# KiCad board gk.kicad_pcb (continued)
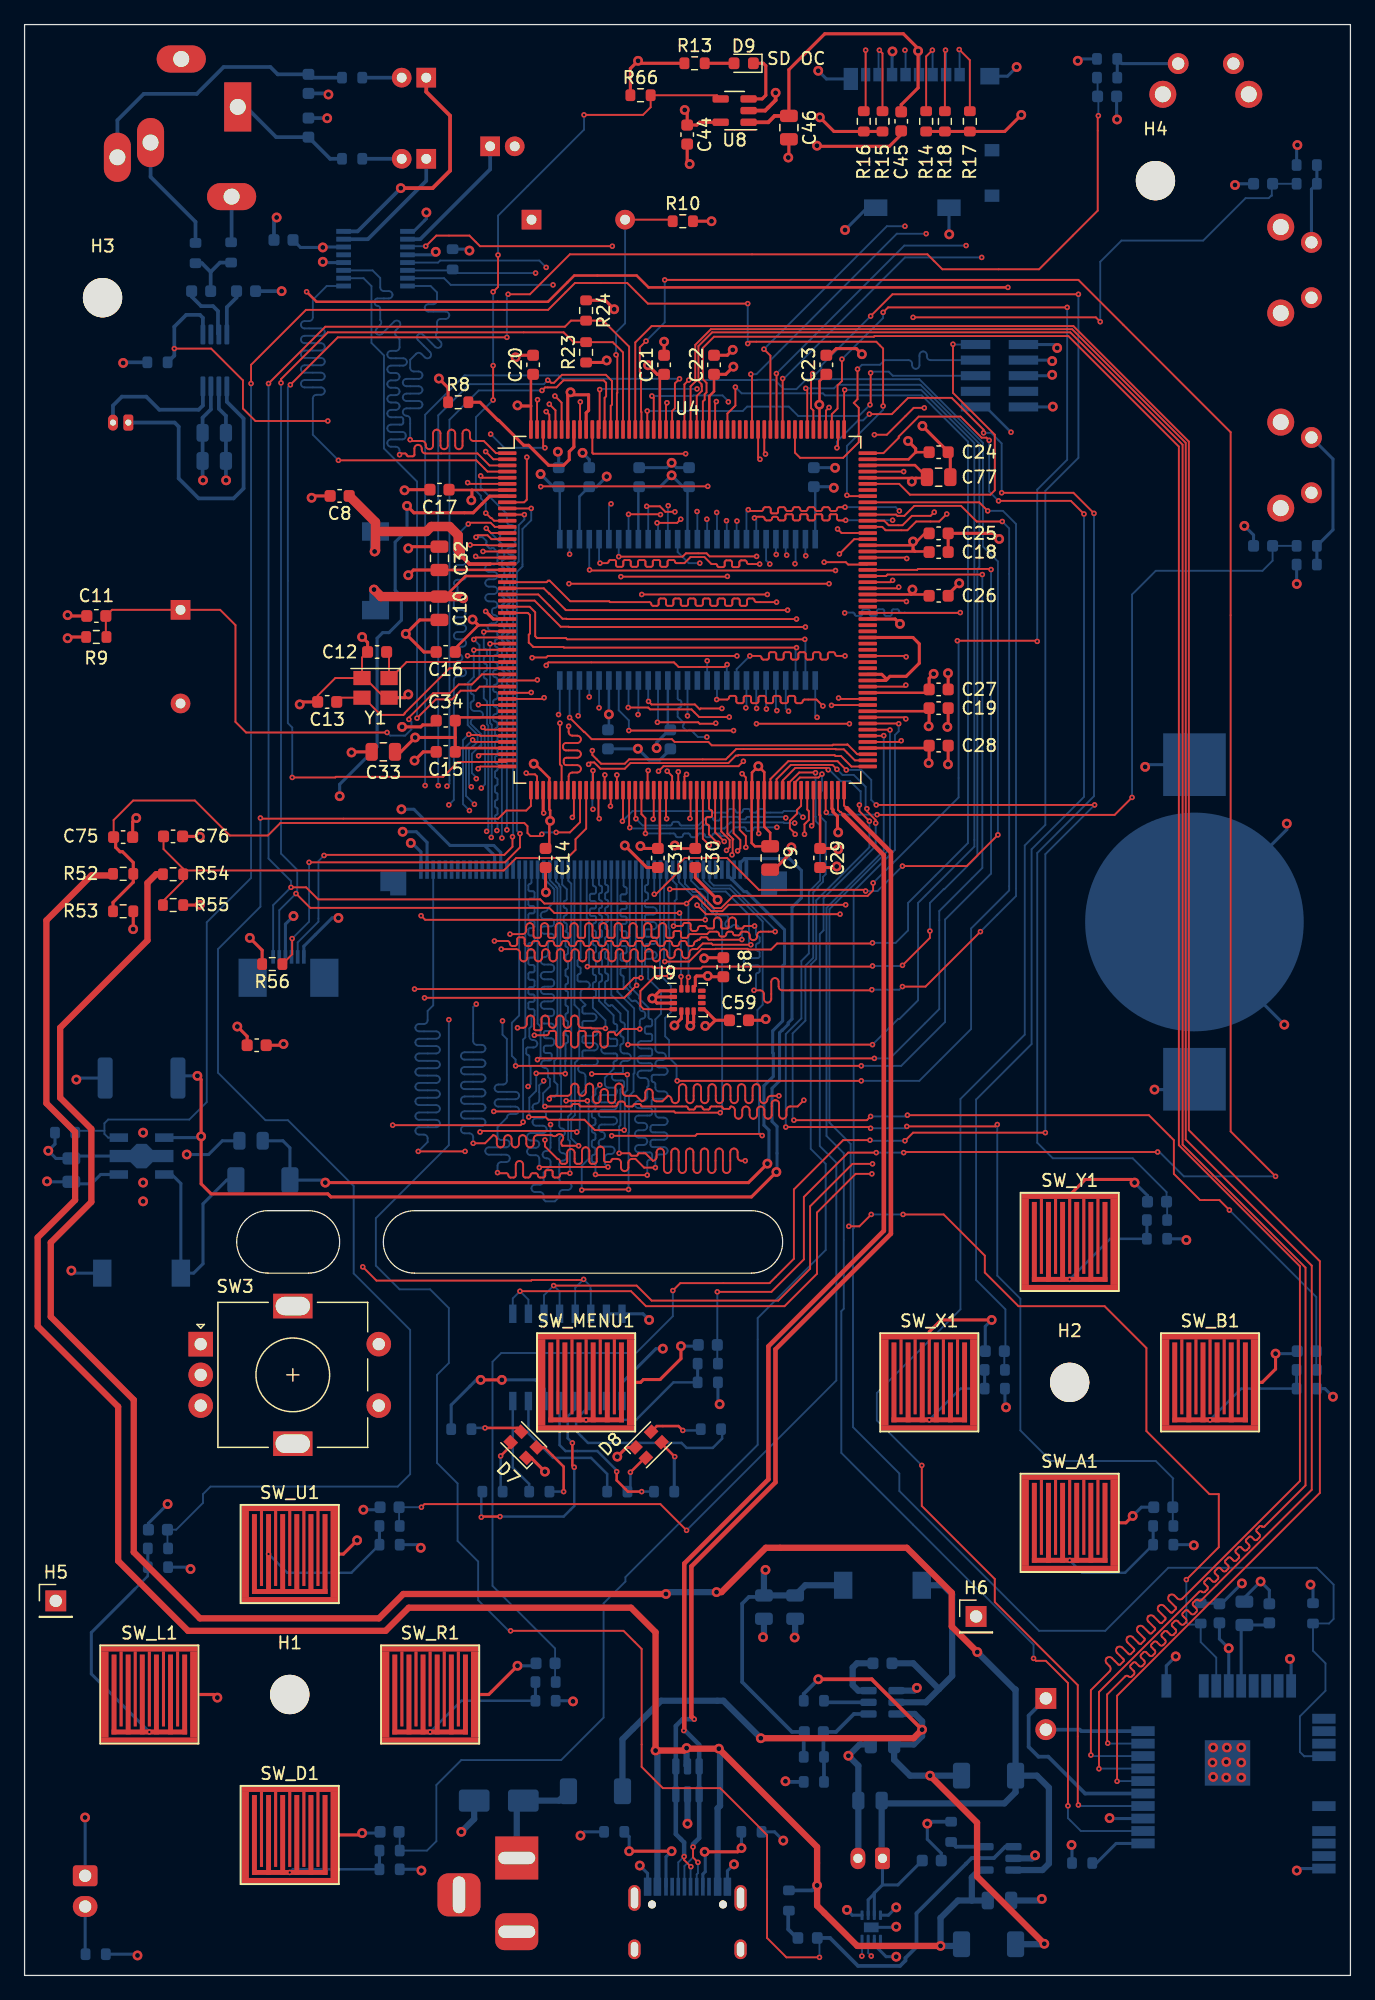
[diagram p0: board, top side]
## Footprints (pads in the part's own frame, mm; a bottom-side part is the same pattern mirrored in y, then rotated) (continued)
microSD_HC_Molex_104031-0811
  rect 0.85x1.1 smd: 1(-3.105,5.45) 2(-2.005,5.45) 3(-0.905,5.45) 4(0.195,5.45) 5(1.295,5.45) 6(2.395,5.45) 7(3.495,5.45)
  rect 0.75x1.1 smd: 8(4.545,5.45)
  rect 1.2x1 smd: 9(-5.74,-0.7) 10(-5.74,-4.4)
  rect 1.55x1.35 smd: 11(-5.565,5.325)
  rect 1.9x1.35 smd: 11(-2.24,-5.375) 11(3.73,-5.375)
  rect 1.17x1.8 smd: 11(5.755,5.1)
Molex_PicoBlade_53048-0210_1x02_P1.25mm_Horizontal
  rrect 0.8x1.3 hole 0.5: 1(0,0)
  oval 0.8x1.3 hole 0.5: 2(1.25,0)
MountingHole_3.2mm_M3
  round 3.2 hole 3.2 unplated: (0,0)
MSOP-8_3x3mm_P0.65mm
  rrect 1.625x0.4 smd: 1(-2.112,0.975) 2(-2.112,0.325) 3(-2.112,-0.325) 4(-2.112,-0.975) 5(2.112,-0.975) 6(2.112,-0.325) 7(2.112,0.325) 8(2.112,0.975)
PinHeader_1x01_P2.54mm_Vertical
  rect 1.7x1.7 hole 1: 1(0,0)
PinHeader_1x02_P2.54mm_Vertical
  rect 1.7x1.7 hole 1: 1(0,0)
  oval 1.7x1.7 hole 1: 2(0,-2.54)
PinHeader_2x05_P1.27mm_Vertical_SMD
  rect 2.4x0.74 smd: 1(-1.95,2.54) 2(1.95,2.54) 3(-1.95,1.27) 4(1.95,1.27) 5(-1.95,0) 6(1.95,0) 7(-1.95,-1.27) 8(1.95,-1.27) 9(-1.95,-2.54) 10(1.95,-2.54)
R_0603_1608Metric
  rrect 0.8x0.95 smd: 1(-0.825,0) 2(0.825,0)
R_2512_6332Metric
  rrect 1.225x3.35 smd: 1(-2.962,0) 2(2.962,0)
RotaryEncoder_Alps_EC11E-Switch_Vertical_H20mm
  rect 2x2 hole 1: A(0,0)
  round 2 hole 1: B(0,-5) C(0,-2.5) S1(14.5,-5) S2(14.5,0)
  rect 3.2x2 hole 2.8x1.5: MP(7.5,3.1) MP(7.5,-8.1)
SOIC-16W_5.3x10.2mm_P1.27mm
  rect 1.5x0.6 smd: 1(-3.55,4.445) 2(-3.55,3.175) 3(-3.55,1.905) 4(-3.55,0.635) 5(-3.55,-0.635) 6(-3.55,-1.905) 7(-3.55,-3.175) 8(-3.55,-4.445) 9(3.55,-4.445) 10(3.55,-3.175) 11(3.55,-1.905) 12(3.55,-0.635) 13(3.55,0.635) 14(3.55,1.905) 15(3.55,3.175) 16(3.55,4.445)
SOT-23-5
  rrect 1.325x0.6 smd: 1(-1.137,0.95) 2(-1.137,0) 3(-1.137,-0.95) 4(1.137,-0.95) 5(1.137,0.95)
SOT-23-6
  rrect 1.325x0.6 smd: 1(-1.137,0.95) 2(-1.137,0) 3(-1.137,-0.95) 4(1.137,-0.95) 5(1.137,0) 6(1.137,0.95)
SOT-89-5
  rect 1.5x0.7 smd: 1(-1.85,1.5) 3(-1.85,-1.5) 4(1.85,-1.5) 5(1.85,1.5)
  custom 5.2x2 smd: 2(0,0)
SSOP-16_3.9x4.9mm_P0.635mm
  rect 1.2x0.4 smd: 1(-2.6,2.223) 2(-2.6,1.587) 3(-2.6,0.953) 4(-2.6,0.318) 5(-2.6,-0.318) 6(-2.6,-0.953) 7(-2.6,-1.587) 8(-2.6,-2.223) 9(2.6,-2.223) 10(2.6,-1.587) 11(2.6,-0.953) 12(2.6,-0.318) 13(2.6,0.318) 14(2.6,0.953) 15(2.6,1.587) 16(2.6,2.223)
SW_DIP_SPSTx01_Slide_6.7x4.1mm_W7.62mm_P2.54mm_LowProfile
  rect 1.6x1.6 hole 0.8: 1(0,0)
  oval 1.6x1.6 hole 0.8: 2(7.62,0)
SW_Tactile_SKHH_Angled
  round 2.2 hole 1.3: (-1.25,-2.5) (5.75,-2.5)
  round 1.7 hole 1: 1(0,0) 2(4.5,0)
TDFN-8-1EP_2x2mm_P0.5mm_EP0.8x1.2mm
  rrect 0.32x0.48 smd: (-0.2,-0.3) (-0.2,0.3) (0.2,-0.3) (0.2,0.3)
  rrect 0.775x0.25 smd: 1(-0.988,0.75) 2(-0.988,0.25) 3(-0.988,-0.25) 4(-0.988,-0.75) 5(0.988,-0.75) 6(0.988,-0.25) 7(0.988,0.25) 8(0.988,0.75)
  rect 0.8x1.2 smd: 9(0,0)
TE_0-1734839-6_1x06-1MP_P0.5mm_Horizontal
  rect 0.3x1.1 smd: 1(-1.25,1.35) 2(-0.75,1.35) 3(-0.25,1.35) 4(0.25,1.35) 5(0.75,1.35) 6(1.25,1.35)
  rect 2.3x3.1 smd: MP(-2.92,-0.35) MP(2.92,-0.35)
TouchButton-8x8mm
  rect 0.675x7 smd: 1(-3.663,0) 1(3.663,0)
  rect 0.25x6.1 smd: 1(-2.3,0.45) 1(-1.15,0.45) 1(0,0.45) 1(1.15,0.45) 1(2.3,0.45)
  rect 8x0.5 smd: 1(0,3.75) 1(0,-3.75)
  rect 0.4x6.5 smd: 2(-2.875,0) 2(-1.725,0) 2(-0.575,0) 2(0.575,0) 2(1.725,0) 2(2.875,0)
  rect 6.15x0.4 smd: 2(0,-3.05)
TSOP-II-54_22.2x10.16mm_P0.8mm
  rect 1.51x0.458 smd: 1(-5.75,10.4) 2(-5.75,9.6) 3(-5.75,8.8) 4(-5.75,8) 5(-5.75,7.2) 6(-5.75,6.4) 7(-5.75,5.6) 8(-5.75,4.8) 9(-5.75,4) 10(-5.75,3.2) 11(-5.75,2.4) 12(-5.75,1.6) 13(-5.75,0.8) 14(-5.75,0) 15(-5.75,-0.8) 16(-5.75,-1.6) 17(-5.75,-2.4) 18(-5.75,-3.2) 19(-5.75,-4) 20(-5.75,-4.8) 21(-5.75,-5.6) 22(-5.75,-6.4) 23(-5.75,-7.2) 24(-5.75,-8) 25(-5.75,-8.8) 26(-5.75,-9.6) 27(-5.75,-10.4) 28(5.75,-10.4) 29(5.75,-9.6) 30(5.75,-8.8) 31(5.75,-8) 32(5.75,-7.2) 33(5.75,-6.4) 34(5.75,-5.6) 35(5.75,-4.8) 36(5.75,-4) 37(5.75,-3.2) 38(5.75,-2.4) 39(5.75,-1.6) 40(5.75,-0.8) 41(5.75,0) 42(5.75,0.8) 43(5.75,1.6) 44(5.75,2.4) 45(5.75,3.2) 46(5.75,4) 47(5.75,4.8) 48(5.75,5.6) 49(5.75,6.4) 50(5.75,7.2) 51(5.75,8) 52(5.75,8.8) 53(5.75,9.6) 54(5.75,10.4)
TSOT-23-6
  rrect 1.325x0.6 smd: 1(-1.137,0.95) 2(-1.137,0) 3(-1.137,-0.95) 4(1.137,-0.95) 5(1.137,0) 6(1.137,0.95)
USB_C_Receptacle_HRO_TYPE-C-31-M-12
  round 0.65 hole 0.65 unplated: (-2.89,2.6) (2.89,2.6)
  rect 0.6x1.45 smd: A1(-3.25,4.045) A4(-2.45,4.045) A9(2.45,4.045) A12(3.25,4.045) B1(3.25,4.045) B4(2.45,4.045) B9(-2.45,4.045) B12(-3.25,4.045)
  rect 0.3x1.45 smd: A5(-1.25,4.045) A6(-0.25,4.045) A7(0.25,4.045) A8(1.25,4.045) B5(1.75,4.045) B6(0.75,4.045) B7(-0.75,4.045) B8(-1.75,4.045)
  oval 1x1.6 hole 0.6x1.2: S1(-4.32,-1.05) S1(4.32,-1.05)
  oval 1x2.1 hole 0.6x1.7: S1(-4.32,3.13) S1(4.32,3.13)
WIFI_Module_ATWINC1500-MR210PB
  rect 1.9x0.8 smd: 1(-7.365,8.19) 2(-7.365,7.174) 3(-7.365,6.158) 4(-7.365,5.142) 5(-7.365,1.078) 6(-7.365,-0.954) 7(-7.365,-1.97) 8(-7.365,-2.986) 9(-7.365,-4.002) 10(7.365,-1.964) 11(7.365,-0.948) 12(7.365,0.068) 13(7.365,1.084) 14(7.365,2.1) 15(7.365,3.116) 16(7.365,4.132) 17(7.365,5.148) 18(7.365,6.164) 19(7.365,7.18)
  rect 0.8x1.9 smd: 20(5.465,10.86) 21(2.417,10.86) 22(1.401,10.86) 23(0.385,10.86) 24(-0.631,10.86) 25(-1.647,10.86) 26(-2.663,10.86) 27(-3.679,10.86) 28(-4.695,10.86)
  rect 3.7x3.7 smd: 29(0.485,4.59)

## Nets
GND: BT1.2 C1.2 C2.2 C3.2 C6.2 C7.2 C8.2 C9.2 C10.2 C11.2 C12.2 C13.2 C14.2 C15.2 C16.2 C17.2 C18.2 C19.2 C20.2 C21.2 C22.2 C23.2 C24.2 C25.2 C26.2 C27.2 C28.2 C29.2 C30.2 C31.2 C32.2 C33.2 C34.2 C35.2 C36.2 C37.2 C38.2 C39.2 C40.2 C41.2 C42.2 C43.2 C44.2 C45.2 C46.2 C47.2 C48.2 C51.2 C52.2 C58.2 C59.2 C60.2 C61.2 C62.2 C63.2 C64.2 C65.2 C66.2 C67.2 C68.2 C69.2 C70.2 C71.2 C72.2 C73.2 C74.2 C75.2 C76.2 C77.2 C78.2 C79.2 C80.2 C81.2 C83.2 D6.1 J1.A1 J1.A12 J1.B1 J1.B12 J1.S1 J2.2 J3.53 J3.54 J4.6 J4.11 J5.S J8.3 J8.5 J8.9 J9.1 J10.2 J10.3 MOD1.9 MOD1.12 MOD1.28 MOD1.29 R1.2 R5.2 R6.2 R7.2 R10.2 R11.2 R12.2 R22.2 R26.2 R27.2 R53.2 R55.2 R56.2 R57.2 SW1.2 SW3.C SW3.S2 SW_A1.1 SW_B1.1 SW_D1.1 SW_L1.1 SW_MENU1.1 SW_ONOFF1.1 SW_R1.1 SW_U1.1 SW_VOLDOWN1.1 SW_VOLUP1.1 SW_X1.1 SW_Y1.1 U1.2 U2.2 U3.1 U4.6 U4.16 U4.18 U4.28 U4.42 U4.50 U4.55 U4.73 U4.79 U4.90 U4.99 U4.109 U4.113 U4.118 U4.123 U4.129 U4.132 U4.139 U4.153 U4.160 U4.178 U4.186 U4.200 U4.207 U5.2 U6.6 U6.12 U6.28 U6.41 U6.46 U6.52 U6.54 U7.4 U7.9 U7.12 U8.2 U9.1 U9.2 U9.3 U9.6 U9.7 U10.1 U10.4 U10.6 U10.9 U11.7 U11.8 U12.7 Y1.2 Y1.4
VBAT_SENSE: C76.1 R54.2 R55.1 U4.62
VBAT_STAT: D3.1 U2.1 U4.2
VCC: C5.1 C6.1 C7.1 C14.1 C15.1 C16.1 C17.1 C18.1 C19.1 C20.1 C21.1 C22.1 C23.1 C24.1 C25.1 C26.1 C27.1 C28.1 C29.1 C30.1 C31.1 C32.1 C33.1 C34.1 C35.1 C37.1 C38.1 C39.1 C40.1 C41.1 C42.1 C43.1 C44.1 C47.1 C58.1 C59.1 C62.1 C78.1 C80.1 C81.1 D7.1 D8.1 J3.41 J3.42 J8.1 J9.4 J11.1 L1.2 L3.1 MOD1.20 MOD1.23 R4.1 R8.1 R9.1 R13.1 R14.1 R15.1 R16.1 R17.1 R18.1 R19.1 R23.1 R24.1 R25.1 R28.1 R30.1 R32.1 R34.1 R36.1 R38.1 R40.1 R42.1 R44.1 R46.1 R48.1 R50.1 R66.1 SW2.1 U4.7 U4.17 U4.20 U4.29 U4.44 U4.49 U4.56 U4.74 U4.80 U4.100 U4.108 U4.114 U4.117 U4.133 U4.140 U4.141 U4.155 U4.161 U4.179 U4.187 U4.208 U5.1 U6.1 U6.3 U6.9 U6.14 U6.27 U6.43 U6.49 U7.6 U8.5 U9.5 U9.8 U9.12 U11.9 U12.6
VDD12: U4.119 U4.120 U4.126
/Memory/SD_VCC: C45.1 C46.1 J4.4 U8.1
BTN_MCU_A: C63.1 R29.2 U4.95
BTN_MCU_B: C64.1 R31.2 U4.96
BTN_MCU_D: C68.1 R39.2 U4.94
BTN_MCU_L: C69.1 R41.2 U4.53
BTN_MCU_MENU: C74.1 R51.2 U4.190
BTN_MCU_ONOFF: C73.1 R49.2 U4.51
BTN_MCU_R: C70.1 R43.2 U4.92
BTN_MCU_U: C67.1 R37.2 U4.93
BTN_MCU_VOLDOWN: C72.1 R47.2 U4.101
BTN_MCU_VOLUP: C71.1 R45.2 U4.88
BTN_MCU_X: C65.1 R33.2 U4.156
BTN_MCU_Y: C66.1 R35.2 U4.158
BTNLED_B: U4.206 U11.5 U11.6
BTNLED_G: U4.143 U11.3 U11.4
BTNLED_R: U4.142 U11.1 U11.2
CTP_INT: J9.2 U4.11
CTP_NRESET: J9.3 R56.1 U4.10
FMC_A0: U4.22 U6.23
FMC_A1: U4.23 U6.24
FMC_A2: U4.24 U6.25
FMC_A3: U4.25 U6.26
FMC_A4: U4.26 U6.29
FMC_A5: U4.27 U6.30
FMC_A6: U4.68 U6.31
FMC_A7: U4.69 U6.32
FMC_A8: U4.70 U6.33
FMC_A9: U4.71 U6.34
FMC_A10: U4.72 U6.22
FMC_A11: U4.75 U6.35
FMC_A12: U4.130 U6.36
FMC_BA0: U4.134 U6.20
FMC_BA1: U4.135 U6.21
FMC_D0: U4.115 U6.2
FMC_D1: U4.116 U6.4
FMC_D2: U4.170 U6.5
FMC_D3: U4.171 U6.7
FMC_D4: U4.76 U6.8
FMC_D5: U4.77 U6.10
FMC_D6: U4.78 U6.11
FMC_D7: U4.81 U6.13
FMC_D8: U4.82 U6.42
FMC_D9: U4.83 U6.44
FMC_D10: U4.84 U6.45
FMC_D11: U4.85 U6.47
FMC_D12: U4.86 U6.48
FMC_D13: U4.105 U6.50
FMC_D14: U4.106 U6.51
FMC_D15: U4.107 U6.53
FMC_NBL0: U4.197 U6.15
FMC_NBL1: U4.198 U6.39
FMC_SDCKE0: U4.41 U6.37
FMC_SDCLK: U4.138 U6.38
FMC_SDNCAS: U4.188 U6.17
FMC_SDNE0: U4.40 U6.19
FMC_SDNRAS: U4.67 U6.18
FMC_SDNWE: U4.38 U6.16
I2C4_SCL: J9.6 R24.2 U4.192 U9.13 U10.7
I2C4_SDA: J9.5 R23.2 U4.193 U9.14 U10.8
LCD_CS: J3.9 U4.30
LCD_RESET: J3.8 U4.66
LCD_SCL: J3.10 U4.31
LCD_SDI: J3.11 U4.33
LCD_SDO: J3.7 U4.32
LED_BACKLIGHT_PWM: R11.1 U4.149 U5.3
LSM6DSL_INT1: U4.159 U9.4
LTDC_B0: J3.12 U4.185
LTDC_B1: J3.13 U4.148
LTDC_B2: J3.14 U4.176
LTDC_B3: J3.15 U4.146
LTDC_B4: J3.16 U4.183
LTDC_B5: J3.17 U4.54
LTDC_B6: J3.18 U4.195
LTDC_B7: J3.19 U4.196
LTDC_CLK: J3.38 U4.137
LTDC_DE: J3.52 U4.34
LTDC_G0: J3.20 U4.64
LTDC_G1: J3.21 U4.5
LTDC_G2: J3.22 U4.59
LTDC_G3: J3.23 U4.157
LTDC_G4: J3.24 U4.87
LTDC_G5: J3.25 U4.52
LTDC_G6: J3.26 U4.15
LTDC_G7: J3.27 U4.163
LTDC_HYSNC: J3.36 U4.14
LTDC_R0: J3.28 U4.48
LTDC_R1: J3.29 U4.47
LTDC_R2: J3.30 U4.46
LTDC_R3: J3.31 U4.63
LTDC_R4: J3.32 U4.58
LTDC_R5: J3.33 U4.97
LTDC_R6: J3.34 U4.98
LTDC_R7: J3.35 U4.136
LTDC_VSYNC: J3.37 U4.13
NRST: C11.1 J8.10 R9.2 SW1.1 U4.37
NTC_MCU: J11.2 R57.1 U4.60
PCM_DEMP: U4.204 U7.13
PCM_FMT: U4.203 U7.15
PCM_MUTE: R19.2 U4.205 U7.14
PCM_ZERO: U4.65 U7.11
SAI1_FS_A: U4.3 U7.3
SAI1_MCLK_A: U4.1 U7.16
SAI1_SCK_A: U4.4 U7.1
SAI1_SD_A: U4.39 U7.2
SD_PWR: R66.2 U4.12 U8.4
SDMMC1_CK: J4.5 U4.169
SDMMC1_CMD: J4.3 R14.2 U4.172
SDMMC1_D0: J4.7 R15.2 U4.144
SDMMC1_D1: J4.8 R16.2 U4.145
SDMMC1_D2: J4.1 R17.2 U4.167
SDMMC1_D3: J4.2 R18.2 U4.168
SPI1_MISO: MOD1.17 U4.180
SPI1_MOSI: MOD1.15 U4.191
SPI1_NSS: MOD1.16 U4.181
SPI1_SCK: MOD1.18 U4.182
SPKR_NSD: R22.1 U4.9 U12.1
SPKRL: J5.TN R64.1
SPKRR: J5.RN R65.1
SWCLK: J8.4 U4.165
SWDIO: J8.2 U4.151
SWO: J8.6 U4.189
USB_D_N: J1.A7 J1.B7 U1.1 U1.6 U4.103
USB_D_P: J1.A6 J1.B6 U1.3 U1.4 U4.104
USB_VBUS: C1.1 D2.2 J1.A4 J1.A9 J1.B4 J1.B9 R2.2 R52.1 U1.5 U2.4 U4.102
VCORE: C9.1 C10.1 C77.1 L2.1 U4.21 U4.89 U4.91 U4.152 U4.154 U4.199 U4.202
VUSB_SENSE: C75.1 R52.2 R53.1 U4.61
WIFI_CHIP_EN: MOD1.22 R26.1 U4.111
WIFI_IRQ: MOD1.13 U4.162
WIFI_NRST: MOD1.4 R27.1 U4.112
WIFI_WAKE: MOD1.11 U4.110
Net-(BT1-+): BT1.1 U4.8
Net-(C49-Pad2): C49.2 R20.1
Net-(C50-Pad2): C50.2 R21.1
Net-(C51-Pad1): C51.1 J5.R R21.2
Net-(C52-Pad1): C52.1 J5.T R20.2
Net-(C82-Pad2): C82.2 R64.2 R65.2
Net-(D1-A): C2.1 C79.1 D1.2 J2.1 R54.1 U2.3 U10.2 U10.3
Net-(D1-K): C3.1 D1.1 D2.1 D5.1 R3.1 U3.3
Net-(D3-A): D3.2 R2.1
Net-(D4-A): D4.2 L3.2 U5.5
Net-(D4-K): C36.1 D4.1 J3.3 J3.4
Net-(D5-A): D5.2 D6.2 J10.1
Net-(D7-BK): D7.4 R63.1
Net-(D7-GK): D7.3 R62.1
Net-(D7-RK): D7.2 R61.1
Net-(D8-BK): D8.4 R60.1
Net-(D8-GK): D8.3 R59.1
Net-(D8-RK): D8.2 R58.1
Net-(D9-A): D9.2 R13.2
Net-(D9-K): D9.1 U8.3
Net-(J1-CC1): J1.A5 R6.1
Net-(J1-CC2): J1.B5 R7.1
Net-(J3-Pin_1): J3.1 J3.2 R12.1 U5.4
Net-(J6-Pin_1): J6.1 U12.5
Net-(J6-Pin_2): J6.2 U12.8
Net-(J7-Pin_1): J7.1 MOD1.14
Net-(J7-Pin_2): J7.2 MOD1.19
Net-(MOD1-1P3V_TP): C60.1 C61.1 MOD1.24
Net-(MOD1-SPI_CFG): MOD1.10 R25.2
Net-(R28-Pad2): R28.2 R29.1 SW_A1.2
Net-(R30-Pad2): R30.2 R31.1 SW_B1.2
Net-(R32-Pad2): R32.2 R33.1 SW_X1.2
Net-(R34-Pad2): R34.2 R35.1 SW_Y1.2
Net-(R36-Pad2): R36.2 R37.1 SW3.A SW_U1.2
Net-(R38-Pad2): R38.2 R39.1 SW3.B SW_D1.2
Net-(R40-Pad2): R40.2 R41.1 SW3.S1 SW_L1.2
Net-(R42-Pad2): R42.2 R43.1 SW_R1.2
Net-(R44-Pad2): R44.2 R45.1 SW_VOLUP1.2
Net-(R46-Pad2): R46.2 R47.1 SW_VOLDOWN1.2
Net-(R48-Pad2): R48.2 R49.1 SW_ONOFF1.2
Net-(R50-Pad2): R50.2 R51.1 SW_MENU1.2
Net-(U2-PROG): R1.1 U2.5
Net-(U3-BST): C4.2 U3.6
Net-(U3-EN): R3.2 U3.5
Net-(U3-FB): C5.2 R4.2 R5.1 U3.4
Net-(U3-SW): C4.1 L1.1 U3.2
Net-(U4-BOOT0): R10.1 SW2.2 U4.194
Net-(U4-PDR_ON): R8.2 U4.201
Net-(U4-PH0): C12.1 U4.35 Y1.1
Net-(U4-PH1): C13.1 U4.36 Y1.3
Net-(U4-VLXSMPS): C8.1 L2.2 U4.19
Net-(U7-V_COM): C48.1 U7.10
Net-(U7-VOUTL): C49.1 U7.7
Net-(U7-VOUTR): C50.1 U7.8
Net-(U11-O1): R61.2 U11.16
Net-(U11-O2): R58.2 U11.15
Net-(U11-O3): R62.2 U11.14
Net-(U11-O4): R59.2 U11.13
Net-(U11-O5): R63.2 U11.12
Net-(U11-O6): R60.2 U11.11
Net-(U12-IN+): C82.1 U12.3
Net-(U12-IN-): C83.1 U12.4

Pads without a net: H5 1; H6 1; J1 A8 B8; J3 5 6 39 40 43 44 45 46 47 48 49 50 51 SH1 SH2; J4 9 10; J8 7 8; J9 MP; MOD1 1 2 3 5 6 7 8 21 25 26 27; SW3 MP; U4 43 45 57 121 122 124 125 127 128 131 147 150 164 166 173 174 175 177 184; U6 40; U7 5; U9 9 10 11; U10 5; U11 10; U12 2

## Via types
v1: diameter 0.8, hole 0.4, Top to Bottom, 226 vias
v2: diameter 0.45, hole 0.2, Top to Bottom, 472 vias

## Routing (per net, layer and track width the routed paths; a pad name or vN(x,y) marks a point on that pad's centre or on a via; arc(x,y) is an arc through that point)
GND: length 431.8
  Top w0.152: U4.118 71.62,104.88 v2(71.75,105) ; v2(71.8,111.8) 71.72,111.88 U4.132 ; U4.200 45.22,128.03 v2(45.25,128.05) ; U4.113 71.62,102.38 v2(71.75,102.25) ; U4.153 v2(71.58,122.38) ; U4.186 52.22,127.9 v2(52.3,127.98) ; v2(36.28,116.41) 37.65,116.41 37.68,116.38 U4.16 ; v2(56.33,128.07) 56.22,127.97 U4.178 ; v2(51.18,94.09) 51.22,94.14 U4.73 ; U4.123 71.7,107.38 v2(71.77,107.3) ; U4.18 39.3,115.37 36.83,115.37 v2(36.72,115.48) ; Y1.4 29.3,103.98 27.7,105.58 27.47,105.58 ; U4.109 71.27,100.38 v2(71.38,100.48) ; U4.160 65.25,125.83 65.25,127.34 v2(65.5,127.59) ; v2(36.96,99.25) 37.09,99.38 U4.50 ; C12.2 27.47,107.24 27.47,105.58 ; U4.139 71.75,115.38 v2(71.83,115.3) ; U4.6 36.17,121.38 v2(36.08,121.48) ; U4.207 41.72,128.19 v2(41.76,128.23) ; C13.2 23.86,104.14 25.3,105.58 27.47,105.58 ; U4.79 54.22,94.2 v2(54.17,94.15) ; v2(64.08,93.55) 64.22,93.69 U4.99 ; U4.42 36.97,103.38 v2(36.95,103.4)
  Top w0.203: v2(59.77,92.92) 59.72,92.97 U4.90
  Top w0.25: v1(68.17,131.93) 67.72,132.38 66.09,132.38 65.55,131.84 C23.2 ; v1(62.18,147.93) 62.23,147.98 C46.2 ; 56.9,82.82 55.38,82.82 v1(55.33,82.77) ; v1(90.37,64.52) 90.12,64.77 86.36,64.77 85.09,63.5 SW_Y1.1 ; C76.2 14.24,92.69 v1(14.27,92.66) ; C8.2 23.52,120.4 v1(23.37,120.24) ; R56.2 19.34,83.43 v1(18.34,84.43) ; C19.2 75.2,101.66 v1(75.13,101.6) ; v1(64.52,148.89) 64.57,148.84 70.41,148.84 71.37,149.81 71.37,150.1 ; v1(62.43,91.8) 62.43,91.39 61.03,89.98 C9.2 60.84,89.98 ; R55.2 14.25,87.1 v1(14.27,87.12) ; v1(31.24,104.24) 30.98,103.98 Y1.4 ; v2(37.54,111) 38.16,110.38 U4.28 ; v1(76.1,113.28) 75.2,112.38 C26.2 ; C30.2 54.61,89.34 v1(56.43,87.53) ; R10.2 v1(55.93,142.75) ; C18.2 C25.2 78.89,117.35 v1(79.35,116.89) ; C13.2 22.61,103.63 v1(22.4,103.43) ; v1(71.27,109.98) 70.88,110.38 U4.129 ; C32.2 31.38,116.27 v1(31.24,116.13) ; SW_D1.1 27.33,11.43 v1(27.48,11.58) ; SW_L1.1 15.44,22.86 v1(15.7,22.61) ; v1(101.85,50.6) 101.85,49.34 100.77,48.26 SW_B1.1 ; v1(8.84,85.14) 8.85,85.15 R53.2 ; C14.2 42.42,88.17 v1(42.45,88.14) ; v1(60.35,77.82) 60.25,77.72 C59.2 ; U4.55 42.22,94.63 v2(42.27,94.59) ; C21.2 v1(52.07,132.94) ; v1(27.08,35.41) 25.96,34.29 SW_U1.1 ; v1(53.44,51.21) 53.44,50.19 51.74,48.49 50.39,48.49 50.16,48.26 SW_MENU1.1 ; C17.2 30.99,120.9 v1(30.94,120.85) ; v1(17.32,77.22) 18.12,76.42 C78.2 ; C15.2 32.46,99.57 v1(31.75,98.86) ; C27.2 75.2,105.96 v1(75.18,105.97) ; C31.2 50.66,90.16 v1(48.87,91.95) ; v1(66.12,90.24) 66.04,90.16 C29.2 ; v1(39.98,131.67) 40.14,131.84 C20.2 ; U9.6 53.97,77.5 v1(54.2,77.27) 54.47,77.54 U9.7 ; v1(90.22,37.39) 89.66,36.83 SW_A1.1 ; C28.2 75.2,98.57 v1(75.18,98.55) ; v1(3.51,110.69) 3.57,110.62 C11.2 ; SW_R1.1 37.8,22.86 v1(40.13,25.2) ; C33.2 26.67,99.57 v1(26.62,99.52) ; v1(78.74,53.34) 74.63,53.34 73.66,52.37 SW_X1.1 ; C22.2 57.21,131.84 v1(57.66,132.28) ; v1(51.1,79.5) 51.73,80.13 U9.1 ; v1(51.1,79.5) 51.48,79.13 U9.3 ; v1(51.1,79.5) 51.23,79.63 U9.2 ; v1(73.1,126.09) 75.2,123.99 C24.2 75.37,123.78 C77.2 ; v1(9.09,94.18) 8.8,93.89 C75.2 ; v1(27.48,108.92) 27.93,108.47 C12.2 ; v1(30.73,101.6) 32.26,101.6 32.42,101.76 33.17,101.76 C34.2 ; C10.2 32.17,110.3 v1(31.04,109.17) 32.51,107.7 C16.2
  Top w0.254: C44.2 53.95,147.6 v1(54.15,147.4)
  Top w0.305: v1(61.15,153.2) 61.15,152.6 60.3,151.75 U8.2
  Bottom w0.152: v2(52.4,119.6) 52.38,119.57 U6.12 ; U6.54 43.58,102.7 v2(43.47,102.6) ; U6.28 64.38,102.53 v2(64.52,102.38) ; v2(49.95,102.6) 49.97,102.63 U6.46 ; U6.6 47.58,119.58 v2(47.75,119.75) ; v2(45.08,102.5) 45.17,102.6 U6.52 ; U6.41 v2(53.97,102.5)
  Bottom w0.25: v1(78.74,53.34) 78.22,52.82 C65.2 ; C79.2 74.64,9.94 73.5,11.08 v1(73.5,12.35) ; v1(64.62,154.99) 65.28,154.33 J4.11 ; MOD1.9 103.74,8.7 v1(103.58,8.53) ; 75.27,143.85 75.27,141.7 v1(75.29,141.68) ; v1(101.85,50.6) 103.42,50.6 C64.2 ; v1(65.99,122.68) 65.98,122.7 64.26,122.7 ; v1(4.22,72.9) 4.34,73.03 R12.2 ; v1(11.65,38.35) 10.08,36.79 C69.2 ; J3.53 32.77,92.2 31.9,93.07 v1(30.78,93.07) ; v1(25.55,86.06) 25.04,86.06 22.74,83.75 J9.1 ; R57.2 9.09,1.73 v1(9.19,1.63) ; v1(27.48,11.58) 28.84,11.58 C68.2 ; U10.6 69.19,2.49 70.15,1.52 v1(70.97,1.52) ; J3.54 32.27,91.43 31.55,92.15 v1(31.45,92.15) ; 25.97,139.38 24.35,139.38 v1(24.28,139.45) ; J8.3 83.59,131.45 v1(83.67,131.37) ; C36.2 16.1,67.92 14.99,66.8 v1(13.21,66.8) ; C74.2 54.75,51.21 v1(53.44,51.21) ; J4.11 68.62,143.85 v1(66.8,142.04) ; R11.2 2.48,67.65 v1(1.93,67.11) 2.56,66.48 C35.2 4,66.68 U5.2 ; C66.2 91.43,63.46 v1(90.37,64.52) ; v1(43.42,123.99) 43.49,123.92 43.49,122.7 ; 60.01,11.68 61.06,11.68 v1(61.77,10.97) ; v1(103.02,25.76) 103.12,25.66 MOD1.28 ; v1(80.77,155.3) 80.03,154.55 J4.11 ; v1(27.58,37.9) 28.74,37.9 C67.2 ; v1(83.67,130.25) 83.59,130.18 J8.5 ; C71.2 98.65,145.8 v1(98.55,145.69) ; C70.2 41.44,25.2 v1(40.13,25.2) ; v1(33.48,140.26) 33.24,140.02 U7.12 ; v1(70.97,3.96) 70.92,3.91 U10.9 ; v1(90.22,37.39) 90.93,38.1 C63.2 ; U7.9 31.69,141.92 32.72,142.95 v1(32.72,143.46) ; v1(99.11,31.9) 97.45,30.24 C62.2 97.23,30.29 R26.2 ; C61.2 99.31,30.73 v1(100.63,32.05) 101.35,31.34 C60.2 ; U11.7 U11.8 50.35,53.84 v1(50.85,53.34) ; v1(70.97,5.54) 70.33,4.9 U10.4 ; v1(45.26,11.38) 45.57,11.68 R7.2 ; J8.9 83.69,127.64 v1(83.72,127.66) ; v1(50.09,8.94) 50.72,8.3 J1.A12 ; v1(70.66,156.57) 70.63,156.53 J4.6 ; C73.2 88.91,151.07 v1(88.95,151.03) ; v1(45.43,123.9) 45.97,123.36 45.97,122.7 ; MOD1.12 88.37,12.77 v1(88.34,12.8) ; v1(66.95,5.33) 67.39,4.9 U10.1 ; 50.04,122.7 52.29,122.7 v1(52.68,123.09) 53.07,122.7 54.1,122.7 ; C72.2 100.06,117.21 v1(99.31,117.96) ; J1.A1 57.22,8.51 v1(57.76,9.04) ; v1(104.7,31.8) 104.9,31.6 R27.2 ; C41.2 52.58,99.77 51.71,98.91 50.85,98.91 v1(49.94,99.82) 49.92,99.81 C42.2
  Bottom w0.254: v1(102.77,93.73) 102.77,93.24 BT1.2 95.25,84.68 v1(102.57,77.37)
  Bottom w0.305: v1(14.53,121.67) 14.49,121.7 C81.2 C80.2 14.49,126.76 15.17,127.44 U12.7 ; C52.2 24.62,151.14 v1(24.64,151.13) ; C83.2 v1(20.93,137.06) ; v1(73.5,12.35) 73.66,12.51 R1.2 ; v1(61.95,15.8) 62,15.75 R5.2 ; 20.31,141.22 20.31,142.84 v1(20.52,143.05) ; v1(8.03,131.22) 8.08,131.27 R22.2 ; v1(24.74,153.06) 24.65,153.15 C51.2
  Bottom w0.508: J2.2 67.88,9.56 C2.2 67.88,17.07 v1(67.08,17.88) 68,18.8 C3.2 ; U1.2 v1(53.97,12.35) ; U3.1 72.42,23.18 v1(72.65,23.4) ; v1(60.12,27.53) 60.2,27.6 C7.2 ; v1(62.7,27.5) 62.74,27.54 C6.2 ; U2.2 82.02,9.53 v1(82.27,9.78) ; v1(35.56,11.68) 36.61,12.73 D6.1 ; C1.2 82.7,6.1 v1(82.83,6.23)
  vias: v1(9.65,68.58) v1(9.65,64.52) v1(9.65,62.99) v1(96.77,18.54) v1(96.72,17.32) v1(96.77,16.15) v1(97.89,18.54) v1(97.84,17.37) v1(97.84,16.1) v1(99.06,18.54) v1(99.06,17.32) v1(99.06,16.1)
VBAT_SENSE: length 44.9
  Top w0.152: U4.62 45.72,93.32 44.86,92.46 44.86,91.59 44.2,90.93 40.03,90.93 39.01,89.92 13.22,89.92 R54.2 ; R54.2 12.92,90.06 11.32,91.66 C76.1 ; R54.2 12.92,89.06 11.27,87.41 R55.1
VBAT_STAT: length 180.5
  Top w0.152: v2(37.54,124) 38.17,123.38 U4.2 ; v2(39.57,28.04) 48.77,28.04 50.24,26.57 50.24,16.97 51.97,15.24 56.64,15.24 60.45,11.43 60.45,3.05 62.03,1.47 v2(64.72,1.47)
  In3.Cu w0.152: v2(34.54,77.77) 34.54,78.32 35.32,79.1 35.32,110.45 36.58,111.71 36.58,112.78 35.41,113.94 35.41,121.87 v2(37.54,124)
  Bottom w0.152: v2(34.54,77.77) 34.54,67.56 28.6,61.62 28.6,57.76 30.53,55.83 33.02,55.83 34.54,54.31 34.54,49.83 33.58,48.87 33.58,41.71 35.26,40.03 35.26,35.36 36.93,33.68 36.93,30.53 39.42,28.04 v2(39.57,28.04) ; D3.1 64.72,2.87 v2(64.72,1.47)
  Bottom w0.305: D3.1 65.58,3.05 67.86,0.77 71.28,0.77 71.72,1.21 71.72,1.42 72.62,2.31 72.62,5.05 76.66,9.09 77.11,9.55 78.92,9.55 79.85,10.48 80.51,10.48
VCC: length 329.3
  Top w0.152: U4.17 v2(37.33,115.88)
  Top w0.203: C24.1 72.55,123.95 71.97,123.38 U4.155 ; U4.117 73.37,104.38 C27.1 ; 42.72,94.13 42.72,94.02 v1(42.79,93.95) ; 42.72,94.13 42.79,94.2 42.79,94.81 42.72,94.87 U4.56 42.72,97.43 41.55,98.6 v1(41.45,98.6) ; 42.72,94.13 42.72,92.01 C14.1 ; U4.108 73.45,99.88 C28.1 ; v1(64.71,127.82) 64.72,127.8 U4.161 ; U4.187 51.72,129.94 52.07,130.29 ; 56.13,130.29 56.13,128.9 55.75,128.51 55.75,125.82 U4.179 ; 64.72,128.07 64.72,129.74 65.28,130.29 ; C18.1 73.6,115.88 U4.140 ; C15.1 35.37,99.88 U4.49 ; C34.1 35.33,102.38 U4.44 ; U4.7 34.59,120.88 C17.1 ; U4.29 36.95,109.88 35.06,107.99 C16.1 ; U4.20 34.9,114.38 34.89,114.37 C32.1 ; U4.114 73.4,102.88 C19.1 ; U4.100 64.72,94.45 64.77,94.4 C29.1 ; U4.208 41.22,130.11 41.4,130.29 ; C31.1 51.72,91.87 U4.74 ; v1(52.93,91.95) 53.17,91.71 C30.1 54.72,91.82 U4.80 ; U4.141 72.33,116.38 73.3,117.35 C25.1 ; C26.1 73.54,112.38 U4.133
  Top w0.25: C34.1 35.06,100.74 ; 35.06,100.74 C15.1 ; 35.06,100.74 v1(31.8,100.74) 30.63,99.57 C33.1 ; 52.07,130.29 51.5,130.29 v1(50.76,131.03) ; R8.1 34.48,129.2 v1(33.73,129.95) ; v1(36.37,120.04) 36.42,120.09 36.42,120.88 ; v1(21.08,75.79) 20.98,75.69 C78.1 ; v1(36.47,110.34) 36.94,109.88 36.95,109.88 ; v1(47.4,131.42) 47.23,131.25 R23.1 ; 64.72,128.07 64.72,127.83 v1(64.71,127.82) ; R15.1 R16.1 65.9,150.05 v1(64.75,151.2) ; v1(50.14,91.9) 50.33,91.71 C31.1 ; 56.13,130.29 57.09,130.29 v1(57.71,130.91) ; C29.1 66.18,91.71 v1(66.24,91.64) ; v1(42.37,41) 41.24,42.12 D7.1 ; R14.1 R18.1 R17.1 79.8,150.05 v1(81.15,151.4) ; 72.19,112.38 72.19,112.67 v1(72.29,112.78) ; U9.5 53.47,77.87 v1(52.91,77.3) ; R9.1 3.61,108.92 v1(3.51,108.81) ; C27.1 73.65,105.55 v1(74.02,105.92) ; v1(73.61,98.65) 73.65,98.69 C28.1 ; v1(48.01,135.59) 47.28,136.31 R24.1 ; D8.1 49.01,42.97 v1(48.26,42.21) ; C19.1 73.65,101.69 v1(73.61,101.65) ; 41.22,127.71 40.18,127.71 v1(40.13,127.76) ; v1(71.93,124.87) 72.55,124.25 72.55,123.95 ; 72.64,116.69 72.64,116.69 v1(72.34,116.69) 72.34,116.03 72.49,115.88 ; v1(31.24,113.94) 31.66,114.37 C32.1 ; C58.1 55.69,81.27 v1(55.63,81.33) 54.71,81.33 54.61,81.23 54.61,80.54 54.47,80.4 U9.12 ; v1(55.42,77.27) 55.78,77.27 56.24,77.72 ; 56.24,77.72 55.33,78.63 U9.8 ; 56.24,77.72 C59.1
  Top w0.254: U8.5 54.95,150.8 54.72,150.58 C44.1 53.95,151.6 v1(53.75,151.8) ; 49.33,153 49.33,155.18 v1(49.95,155.8) 50.15,155.6 R13.1
  Bottom w0.203: U6.9 49.97,121.08 C38.1 ; C39.1 53.97,121.02 U6.14 ; C43.1 43.58,121.06 U6.1 ; U6.49 47.58,102.87 ; U6.3 45.17,120.35 C37.1 ; U6.27 64.38,121.03 C40.1 ; v1(47.58,102.62) 47.58,101.44 C42.1 ; U6.43 52.38,101.56 C41.1
  Bottom w0.25: R46.1 103.57,113.25 v1(103.58,113.23) ; 37.44,91.95 38.2,91.95 38.77,91.38 J3.41 ; 37.44,91.95 34.65,91.95 31.7,94.89 v1(30.68,94.89) ; 37.44,91.95 38.27,91.12 J3.42 ; v1(21.89,86.21) 21.24,85.55 J9.4 ; R28.1 95.15,35.05 v1(95.2,35) ; U5.1 6.2,65.18 5.44,64.41 3.98,64.41 C35.1 1.86,64.58 v1(1.83,64.62) ; U11.9 48.64,48.23 51.41,51 v1(51.97,51) ; v1(93.73,25.96) 92.96,25.19 MOD1.20 ; C39.1 53.61,121.15 v1(52.68,122.07) 51.75,121.15 C38.1 ; 30.54,35.05 32,35.05 v1(32.26,34.8) ; C37.1 46.57,121.15 v1(47.4,121.97) ; C47.1 22.47,140.61 v1(24.28,140.61) 24.32,140.65 25.97,140.65 ; J11.1 4.93,12.85 v1(4.93,12.85) ; 30.54,8.64 32.21,8.64 v1(32.31,8.53) ; v1(85.24,10.62) 85.28,10.58 R25.1 ; v1(79.91,46.23) 79.82,46.32 R32.1 ; R44.1 103.57,148.88 v1(103.63,148.95) ; R42.1 44.6,22.35 v1(44.65,22.3) ; v1(13.51,33.07) 13.36,33.22 R40.1 ; v1(56.59,46.48) 56.45,46.62 R50.1 ; v1(106.53,47.09) 105.87,47.75 R30.1 ; J8.1 83.79,132.72 v1(84.07,132.44) ; v1(65.89,121.06) 65.8,121.15 C40.1 ; L3.1 4.01,57.15 v1(3.81,57.35) ; v1(51.46,99.87) 51.46,100.33 52.49,101.36 C41.1 ; R34.1 94.49,59.94 v1(94.59,59.84) ; R19.1 36.11,140.47 v1(36.22,140.36) ; C43.1 43.04,121.15 v1(42.01,122.17) ; C62.1 97.28,27.38 v1(98.04,26.62) MOD1.23 ; 47.58,102.87 v1(47.58,102.62) ; v1(85.75,155.8) 85.9,155.96 R48.1
  Bottom w0.305: R4.1 63.44,19.76 C5.1 62.49,19.81 58.42,23.88 58.42,30.25 58.97,30.8 60.08,30.8 C7.1 ; 15.82,129.31 15.82,127.49 16.39,126.91 C80.1 C81.1 16.39,121.68 v1(16.41,121.67)
  Bottom w0.508: v1(60.33,33) 60.2,32.87 C7.1 C6.1 63.57,31.75 L1.2
VDD12: length 12.5
  Top w0.25: 70.21,105.46 70.12,105.38 U4.119 ; 70.21,105.46 69.79,105.88 U4.120 ; 70.21,105.46 70.46,105.71 71.78,105.71 72.85,106.78 72.85,108.36 72.33,108.88 U4.126
/Memory/SD_VCC: length 27.2
  Top w0.254: C45.1 71.37,152.22 72.75,153.6 v1(72.75,156.6) 72.75,156.8 71.55,158 65.15,158 62.23,155.08 C46.1
  Top w0.305: U8.1 60.55,150.8 61.07,151.32 C46.1
  Bottom w0.254: J4.4 72.83,156.52 v1(72.75,156.6)
BTN_MCU_A: length 94.3
  Top w0.152: v2(61.98,69.04) 68.78,69.04 v2(68.88,68.94) ; v2(64.4,97.87) 64.37,97.89 63.08,97.89 62.22,97.04 U4.95 ; v2(71.83,69.09) 79.04,69.09 v2(79.2,69.24)
  Bottom w0.152: v2(64.4,97.87) 64.4,94.3 64.42,94.28 64.42,93.93 64.77,93.57 64.77,89.1 63.86,88.19 63.86,83.16 63.25,82.55 63.25,77.88 61.98,76.61 v2(61.98,69.04) ; v2(71.83,69.09) 71.68,68.94 v2(68.88,68.94) ; R29.2 93.48,36.63 C63.1 93.48,40.4 93.52,40.44 92.1,41.86 83.57,41.86 81.08,44.35 81.08,55.07 79.2,56.95 v2(79.2,69.24)
BTN_MCU_B: length 89
  Top w0.152: v2(62.64,69.6) 68.58,69.6 v2(68.88,69.9) ; v2(71.88,70) 91.54,70 93.57,67.97 93.57,65.23 95.71,63.09 97.28,63.09 v2(98.09,62.28) ; v2(64.92,97.76) 64.64,97.48 63.12,97.48 62.72,97.08 U4.96
  Bottom w0.152: R31.2 105.17,49.33 C64.1 105.17,55.21 v2(98.09,62.28) ; v2(64.92,97.76) 64.92,96.42 64.81,96.3 64.81,94.28 65.23,93.86 65.23,89.61 65.01,89.4 65.01,89 64.57,88.56 64.57,88.49 64.21,88.14 64.21,82.8 63.58,82.17 63.58,77.7 62.53,76.66 62.53,69.7 v2(62.64,69.6) ; v2(68.88,69.9) 71.78,69.9 v2(71.88,70)
BTN_MCU_D: length 119.4
  Top w0.152: v2(65.43,98.11) 65.43,98.11 65.28,98.26 62.75,98.26 61.72,97.23 U4.94 ; v2(68.78,93.93) 67.97,94.74 v2(67.97,95.25)
  Bottom w0.152: v2(65.43,98.11) 65.52,98.11 66.45,97.18 67.21,97.18 68.02,96.37 68.07,96.37 68.07,95.35 v2(67.97,95.25) ; v2(68.78,93.93) 68.78,91.81 64.45,87.48 64.45,82.7 64.01,82.26 64.01,67.26 65.23,66.04 65.23,59.03 59.69,53.49 59.69,43.18 48.92,32.41 48.92,32.05 47.14,30.28 47.14,20.98 43.69,17.53 35.56,17.53 33.53,15.49 33.53,10.92 32.77,10.16 30.54,10.16 30.54,11.63 C68.1
BTN_MCU_L: length 109.7
  Top w0.152: v2(19.2,94.18) 19.25,94.13 38.56,94.13 39.22,94.79 40.84,94.79 41.22,95.17 U4.53
  Bottom w0.152: R41.2 11.63,34.8 C69.1 12.34,36.27 14.53,38.46 14.53,39.17 15.14,39.78 30.38,39.78 31.39,40.79 31.39,52.53 26.8,57.12 26.8,64.24 21.44,69.6 19.61,69.6 15.75,73.46 15.75,83.52 19.2,86.97 v2(19.2,94.18)
BTN_MCU_MENU: length 186.3
  Top w0.152: v2(92.25,67.01) 71.63,67.01 v2(71.58,66.95) ; U4.190 50.22,127.22 50.19,127.25 50.19,130.4 50.09,130.51 50.09,132.49 v2(50.6,132.99) ; v2(52.12,137.97) 85.8,137.97 98.2,125.58 98.2,68.68 v2(101.85,65.02) ; v2(69.34,66.95) 67.06,66.95 63.45,63.35 63.45,58.27 60.81,55.63 v2(56.4,55.63)
  Bottom w0.152: R51.2 56.4,49.83 C74.1 v2(56.4,55.63) ; v2(50.6,132.99) 52.12,134.52 v2(52.12,137.97) ; 92.35,67.06 92.3,67.06 v2(92.25,67.01) ; 92.35,67.06 94.39,65.02 v2(101.85,65.02) ; 92.35,67.06 92.3,67.11 ; v2(71.58,66.95) v2(69.34,66.95)
BTN_MCU_ONOFF: length 135.8
  Top w0.152: v2(39.27,133.3) 25.5,133.3 v2(21.64,129.44) ; U4.51 39.17,98.75 35.3,98.75 34.09,97.54 25.35,97.54 25.3,97.49 v2(21.79,97.49) ; v2(87.43,151.33) 87.38,151.28 87.38,143.61 82.6,138.84 74.73,138.84 73.51,140.06 44.4,140.06 41.15,136.8 v2(39.37,136.8)
  Bottom w0.152: v2(39.37,136.8) 39.27,136.7 v2(39.27,133.3) ; v2(21.79,97.49) 21.79,101.55 21.44,101.9 21.44,129.24 v2(21.64,129.44) ; R49.2 87.36,154.38 C73.1 87.43,152.84 v2(87.43,151.33)
BTN_MCU_R: length 144.1
  Top w0.152: v2(66.9,98.09) 66.19,98.81 62.18,98.81 60.72,97.35 U4.92 ; v2(83.11,68.58) 72.34,68.58 v2(71.68,67.92) ; v2(52.78,55.73) 53.39,56.34 60.66,56.34 62.64,58.32 62.64,63.96 66.65,67.97 v2(68.83,67.97) ; v2(69.34,95.25) v2(87.12,95.25)
  Bottom w0.152: v2(69.34,95.25) 68.94,95.66 68.94,97.28 68.12,98.09 v2(66.9,98.09) ; v2(52.78,55.73) 52.78,53.64 49.78,50.65 38.81,50.65 38.1,49.94 38.1,31.7 43.19,26.61 C70.1 43.19,23.93 R43.2 ; v2(68.83,67.97) 68.88,67.92 v2(71.68,67.92) ; v2(87.12,95.25) 83.11,91.24 v2(83.11,68.58)
